# Altium PCB spd150.PcbDoc (part 13 of 16)
Units mm, origin at the board's own origin, x right, y up, seen from the top; angles counter-clockwise.
Board outline 217.35 x 147.5 mm, 10 copper layers (TOP, LYR2-PLN, LYR3-SIG, LYR4-SIG, LYR5-PLN, LYR6-PLN, LYR7-SIG, LYR8-SIG, LYR9-PLN, BOTTOM), stack 2.134 mm thick; 1065 components, 972 nets, 4226 pads, 2810 vias.
Unrouted connection lines stored in the file: 16.
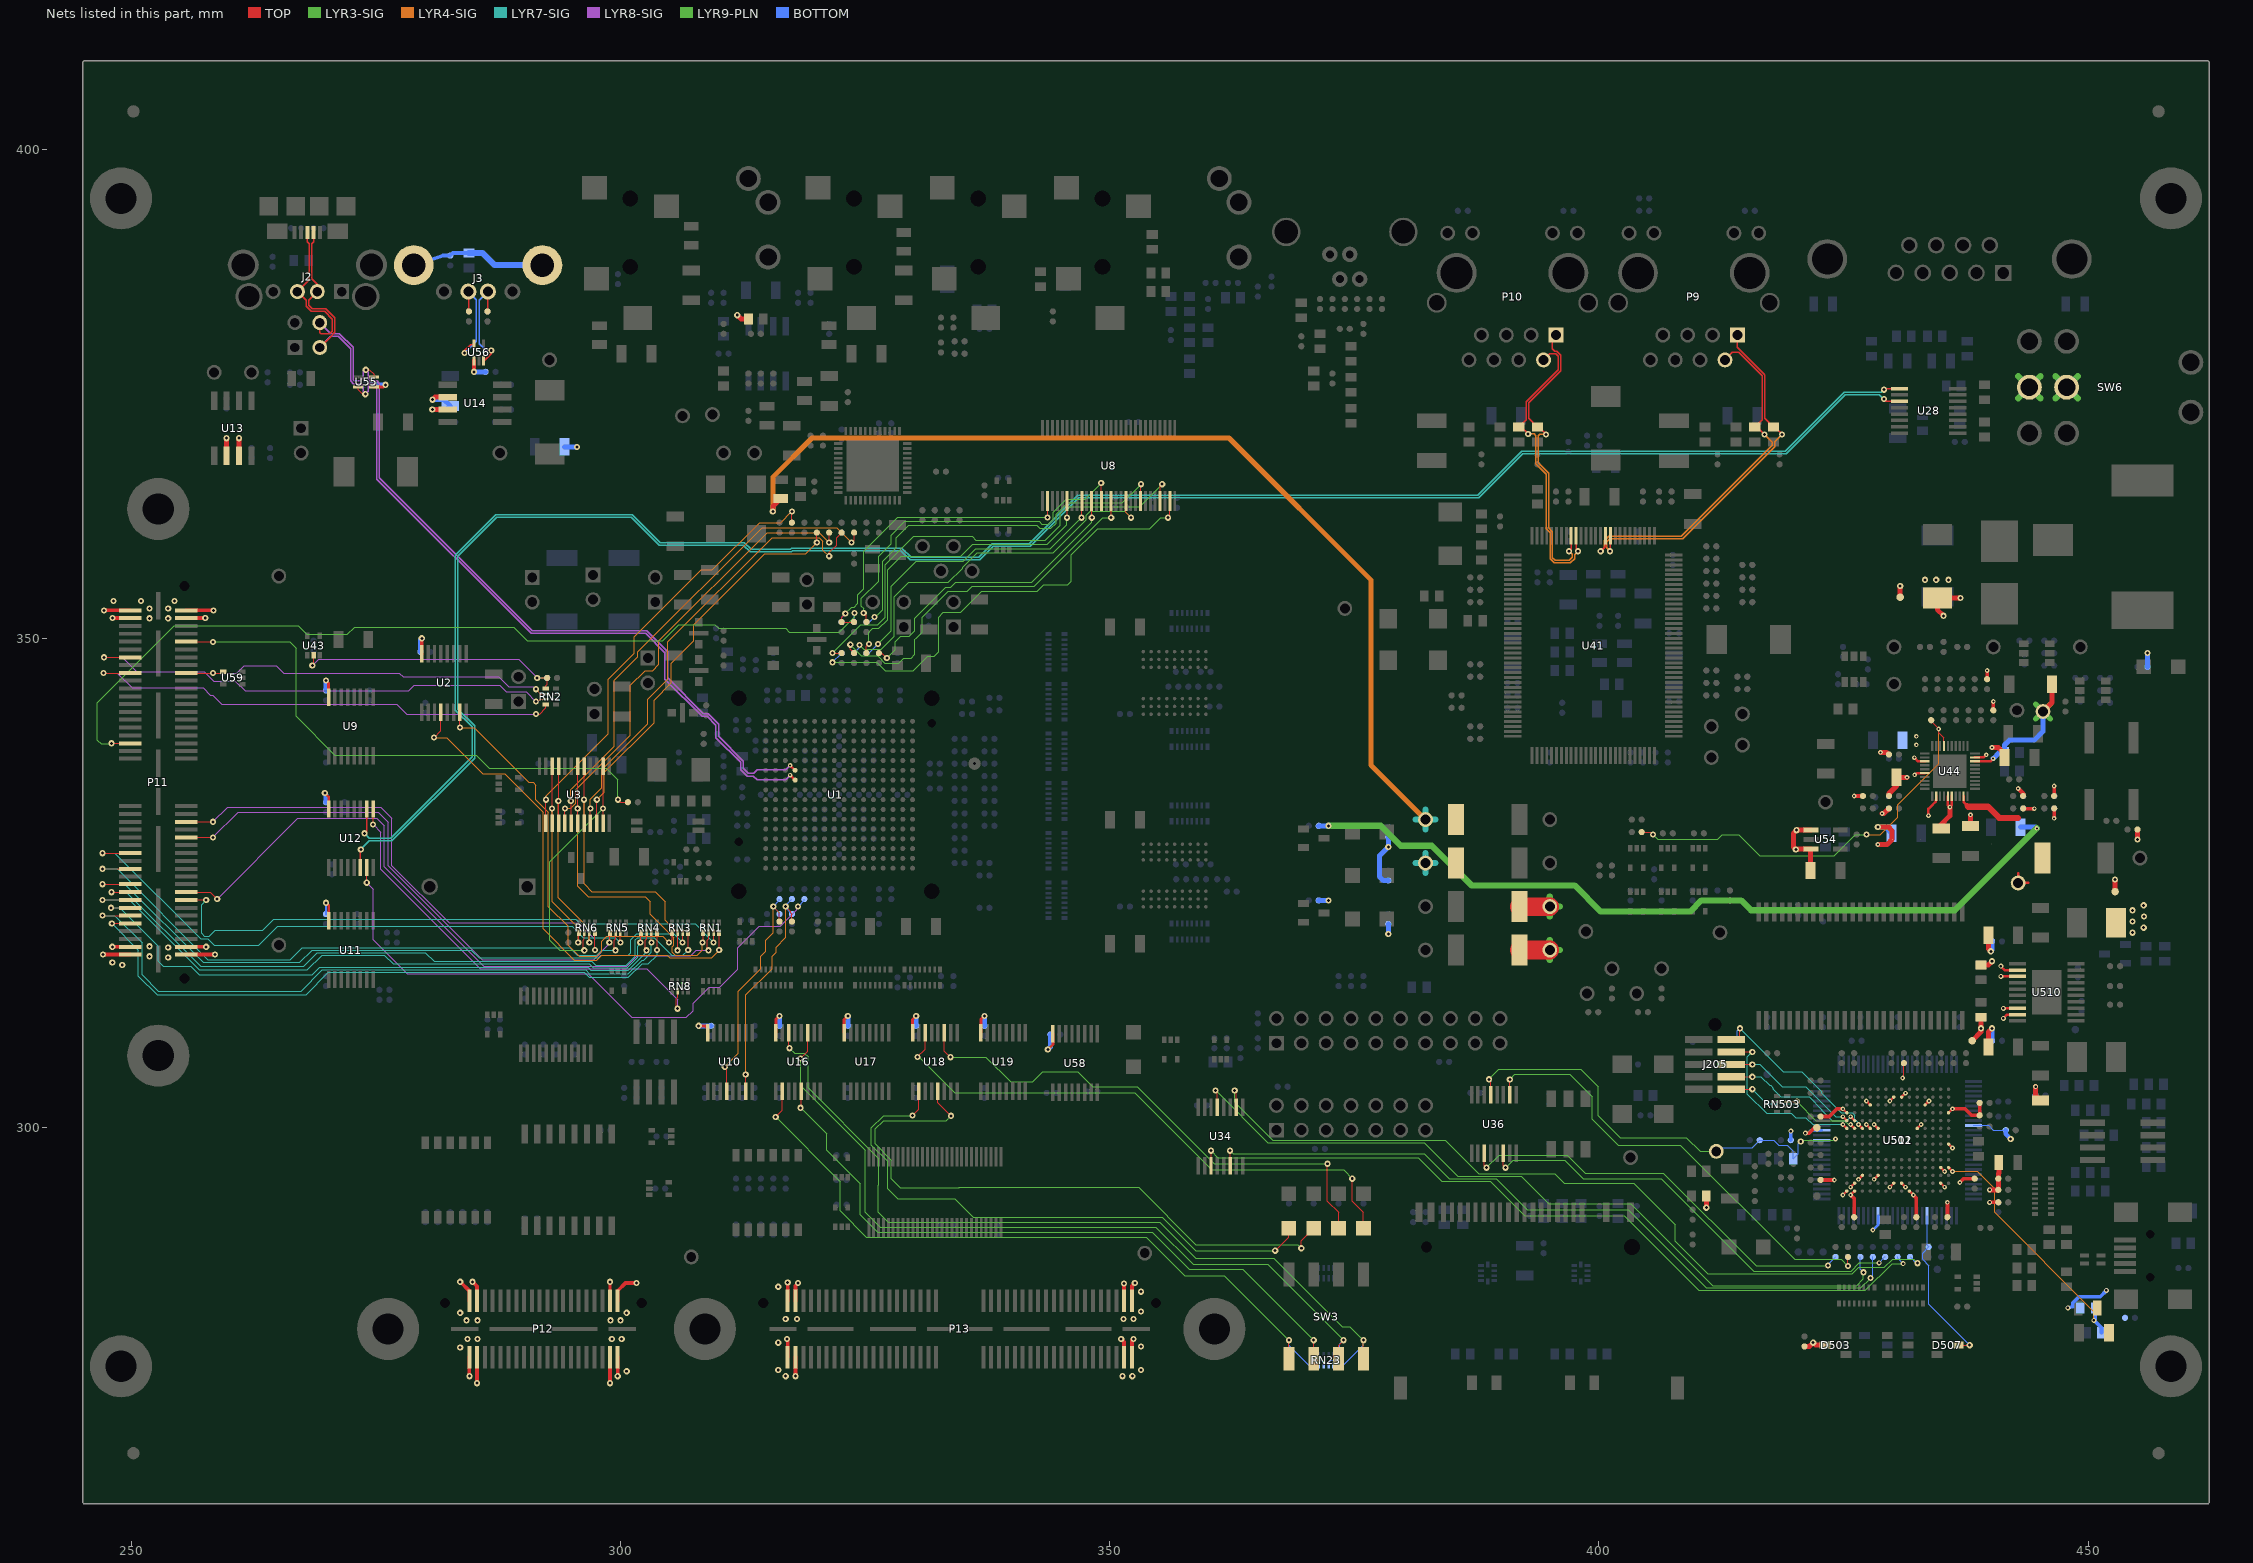
[diagram p21: the nets of this part, all layers, seen from the top]

## Via types
v1: diameter 0.635, hole 0.305, TOP to BOTTOM, 2018 vias
v2: diameter 0.483, hole 0.203, TOP to BOTTOM, 651 vias
v3: diameter 0.508, hole 0.254, TOP to BOTTOM, 120 vias
v4: diameter 0.559, hole 0.254, TOP to BOTTOM, 21 vias

## Nets (pads, with @x,y where several pads share a name; then routed paths per layer and width w, separated by ;. In a path a pad name is that pad's centre, name@x,y a point inside that pad or via, vN(x,y) a via of type N, cw(c..) or ccw(c..) an arc to the next point about the centre after c; other vN are vias at no path point) (continued)
SYS_RESETN: R325.2 R388.1 U44.27 | length 43.1
  TOP w0.127: R388.1@404.368,330.2 405.257,330.2 v1(405.511,329.946) ; R325.2@433.959,341.63 433.959,341.503 v2(434.721,340.741) 434.721,340.36 435.265,339.816 U44.27@435.265,338.988
  LYR3-SIG w0.127: v1(405.511,329.946) 406.019,329.438 412.115,329.438 412.623,329.946 414.274,329.946 416.433,327.787 424.053,327.787 426.212,329.946 v1(427.355,329.946)
  LYR4-SIG w0.127: v1(427.355,329.946) 428.752,329.946 430.53,331.724 430.53,332.994 434.721,337.185 v2(434.721,340.741)
T_ACLKR0: P11.17 RN2.8 | length 50.2
  TOP w0.127: v1(247.142,346.456) P11.17@249.86,346.456 ; v1(291.338,342.265) 291.719,342.265 292.341,342.887 RN2.8@292.341,343.22
  LYR8-SIG w0.127: v1(247.142,346.456) 248.539,346.456 250.063,344.932 257.302,344.932 258.064,344.17 258.318,344.17 259.207,343.281 277.114,343.281 278.13,342.265 v1(291.338,342.265)
T_ACLKR1: P11.57 RN5.6 | length 62.1
  TOP w0.127: v1(247.015,326.441) P11.57@249.86,326.441 ; v1(299.456,318.112) 299.339,318.229 299.339,319.151 299.471,319.283 RN5.6@299.471,319.9
  LYR7-SIG w0.127: v1(247.015,326.441) 248.539,326.441 257.81,317.17 266.243,317.17 267.462,318.389 294.767,318.389 295.552,317.604 297.564,317.604 298.072,318.112 v1(299.456,318.112)
T_ACLKX0: P11.18 RN2.6 U59.4 | length 39.4
  TOP w0.127: P11.18@255.6,346.456 v1(258.318,346.456) 259.217,346.456 U59.4@259.359,346.598 ; v1(291.338,344.805) 291.851,344.292 RN2.6@292.341,344.292
  LYR8-SIG w0.127: v1(258.318,346.456) 260.731,346.456 261.493,347.218 264.795,347.218 265.557,346.456 277.368,346.456 277.749,346.075 287.528,346.075 288.544,345.059 291.084,345.059 v1(291.338,344.805)
T_ACLKX1: RN6.6 U3.11 U3.14 | length 27.4
  TOP w0.127: v1(296.281,318.112) 296.164,318.229 296.164,319.151 296.296,319.283 RN6.6@296.296,319.9 ; U3.11@298.201,331.089 v1(298.201,332.613) U3.14@298.201,336.931
  LYR3-SIG w0.127: v1(296.281,318.112) 293.774,318.112 292.735,319.151 292.735,327.147 v1(298.201,332.613)
T_AFSR0: P11.13 RN2.7 | length 50.3
  TOP w0.127: v1(247.193,348.056) P11.13@249.86,348.056 ; v1(291.338,343.535) 291.592,343.535 291.851,343.794 RN2.7@292.341,343.794
  LYR8-SIG w0.127: v1(247.193,348.056) 249.047,348.056 250.52,346.583 257.429,346.583 258.382,345.63 260.617,345.63 261.62,344.627 278.333,344.627 278.892,345.186 287.655,345.186 288.29,344.551 290.322,344.551 v1(291.338,343.535)
T_AFSR1: P11.53 RN5.7 | length 62.2
  TOP w0.127: v1(247.015,328.041) P11.53@249.86,328.041 ; v1(299.969,318.902) RN5.7@299.969,319.9
  LYR7-SIG w0.127: v1(247.015,328.041) 248.285,328.041 257.048,319.278 257.81,319.278 258.039,319.049 258.039,319.042 258.437,318.643 263.017,318.643 264.922,320.548 295.021,320.548 296.164,319.405 296.578,319.405 296.583,319.41 297.005,319.41 297.01,319.405 299.466,319.405 v1(299.969,318.902)
T_AFSX0: R2.2 R3.1 RN2.5 U43.2 | length 28.3
  TOP w0.127: v1(268.478,347.218) 268.605,347.345 U43.2@268.605,348.259 ; v1(291.465,345.948) R3.1@292.481,345.948 292.481,345.313 292.341,345.173 RN2.5@292.341,344.866
  LYR8-SIG w0.127: v1(268.478,347.218) 269.113,347.853 289.56,347.853 v1(291.465,345.948)
  BOTTOM w0.127: v1(291.465,345.948) R2.2@292.481,345.948
T_AFSX1: RN6.7 U3.4 U3.21 | length 22.7
  TOP w0.127: U3.4@293.649,331.089 293.649,333.35 v1(293.624,333.375) 293.649,333.4 U3.21@293.649,336.931 ; v1(296.794,318.902) RN6.7@296.794,319.9
  LYR4-SIG w0.127: v1(293.624,333.375) 293.624,323.469 296.799,320.294 296.799,318.907 v1(296.794,318.902)
T_AHCLKR0/RMII_MHZ_50: R11.1 R13.2 R17.1 U8.2 | length 32.5
  TOP w0.127: v1(322.961,352.552) 322.58,352.171 R13.2@322.58,351.663 R11.1@323.85,351.663 ; v1(343.637,362.356) U8.2@343.637,364.033
  LYR3-SIG w0.127: v1(322.961,352.552) 323.596,353.187 323.85,353.187 324.231,353.568 324.231,354.457 324.866,355.092 324.866,358.902 328.32,362.356 v1(343.637,362.356)
  BOTTOM w0.127: R17.1@322.58,351.663 322.58,352.171 v1(322.961,352.552)
T_AHCLKR1: P11.50 RN5.5 | length 55
  TOP w0.127: P11.50@255.6,329.641 v1(258.318,329.641) ; v1(298.831,318.897) 298.897,318.963 RN5.5@298.897,319.9
  LYR8-SIG w0.127: v1(258.318,329.641) 260.909,332.232 275.209,332.232 276.225,331.216 276.225,326.771 285.826,317.17 297.231,317.17 298.831,318.77 v1(298.831,318.897)
T_AHCLKX1: RN6.5 U3.3 U3.22 | length 21.7
  TOP w0.127: U3.3@292.999,331.089 292.999,332.603 v1(292.989,332.613) 292.999,332.623 U3.22@292.999,336.931 ; v1(295.656,318.897) 295.722,318.963 RN6.5@295.722,319.9
  LYR4-SIG w0.127: v1(292.989,332.613) 292.989,323.088 295.656,320.421 v1(295.656,318.897)
T_AIC_BCLK: R194.1 U3.10 | length 41.5
  TOP w0.127: U3.10@297.551,331.089 297.551,332.323 297.561,332.334 v1(297.561,333.502) ; v1(320.04,359.791) R194.1@320.04,360.807
  LYR4-SIG w0.127: v1(297.561,333.502) 298.323,334.264 298.323,336.296 303.403,341.376 303.403,343.662 305.181,345.44 305.181,347.472 307.467,349.758 307.467,351.409 314.706,358.648 318.897,358.648 v1(320.04,359.791)
T_AIC_DIN: R196.1 U3.9 | length 47
  TOP w0.127: U3.9@296.901,331.089 v1(296.901,332.613) ; v1(321.31,358.394) 321.31,358.775 322.072,359.537 322.072,360.299 R196.1@322.58,360.807
  LYR4-SIG w0.127: v1(296.901,332.613) 296.901,333.56 298.069,334.729 298.069,336.575 302.768,341.274 302.768,343.789 304.8,345.821 304.8,349.631 315.468,360.299 320.294,360.299 320.675,359.918 320.675,359.029 v1(321.31,358.394)
T_AIC_DOUT: R197.1 U3.6 | length 49.2
  TOP w0.127: v1(294.894,333.375) 294.95,333.319 U3.6@294.95,331.089 ; v1(323.596,359.791) 323.85,360.045 R197.1@323.85,360.807
  LYR4-SIG w0.127: v1(294.894,333.375) 294.894,334.518 299.339,338.963 299.339,345.694 301.752,348.107 301.752,348.615 314.452,361.315 322.072,361.315 v1(323.596,359.791)
T_AIC_MCLK: R210.1 U3.2 | length 45.4
  TOP w0.127: U3.2@292.349,331.089 292.349,333.497 v1(292.354,333.502) ; R210.1@317.5,361.823 v1(317.5,362.966)
  LYR4-SIG w0.127: v1(292.354,333.502) 292.354,333.883 298.704,340.233 298.704,345.821 301.371,348.488 301.371,350.139 308.229,356.997 309.372,356.997 314.198,361.823 316.357,361.823 v1(317.5,362.966)
T_AIC_WCLK: R195.1 U3.5 | length 46.8
  TOP w0.127: U3.5@294.3,331.089 v1(294.3,332.613) ; v1(321.31,359.791) R195.1@321.31,360.807
  LYR4-SIG w0.127: v1(294.3,332.613) 294.869,332.613 295.402,333.146 295.402,334.518 300.99,340.106 300.99,345.186 302.514,346.71 303.276,346.71 303.911,347.345 303.911,349.758 314.96,360.807 320.294,360.807 v1(321.31,359.791)
T_AMUTE0: P11.10 R1.1 | length 57.2
  TOP w0.127: P11.10@255.6,349.656 258.293,349.656 v1(258.318,349.631) ; v1(299.72,333.502) 299.974,333.248 R1.1@300.736,333.248
  LYR3-SIG w0.127: v1(258.318,349.631) 266.192,349.631 266.827,348.996 266.827,342.011 270.764,338.074 285.242,338.074 286.575,336.74 298.513,336.74 299.72,335.534 v1(299.72,333.502)
T_AMUTE1: P11.46 RN6.8 | length 53.7
  TOP w0.127: P11.46@255.6,331.241 v1(258.318,331.241) ; v1(297.368,318.135) RN6.8@297.368,319.9
  LYR8-SIG w0.127: v1(258.318,331.241) 259.817,332.74 275.463,332.74 276.606,331.597 276.606,326.771 282.448,320.929 295.656,320.929 297.368,319.217 v1(297.368,318.135)
T_AXR0[0]/RMII_TXD[0]: R9.1 U8.6 | length 32.4
  TOP w0.127: R9.1@325.12,348.488 325.12,349.174 v1(325.374,349.428) ; v1(345.618,362.331) 345.636,362.349 U8.6@345.636,364.033
  LYR3-SIG w0.127: v1(325.374,349.428) 325.374,350.647 325.755,351.028 326.39,351.028 327.279,351.917 327.279,356.997 328.676,358.394 334.772,358.394 335.978,359.601 343.599,359.601 345.618,361.62 v1(345.618,362.331)
T_AXR0[1]/RMII_TXD[1]: R10.1 U8.9 | length 32.1
  TOP w0.127: v1(347.091,362.331) 347.137,362.377 U8.9@347.137,364.033
  LYR3-SIG w0.127: v1(326.314,349.428) 327.66,350.774 327.66,355.346 330.2,357.886 335.026,357.886 336.296,359.156 343.916,359.156 v1(347.091,362.331)
  BOTTOM w0.127: R10.1@325.12,348.488 325.374,348.488 v1(326.314,349.428)
T_AXR0[2]/RMII_TXEN: R8.1 U8.11 | length 31.1
  TOP w0.127: R8.1@326.39,348.488 326.695,348.488 v1(327.203,347.98) ; U8.11@348.135,364.033 348.135,362.354 v1(348.158,362.331)
  LYR3-SIG w0.127: v1(327.203,347.98) 328.041,348.818 328.041,349.631 328.613,350.202 329.501,350.202 330.073,350.774 330.073,352.044 333.248,355.219 333.756,355.219 334.264,355.727 342.011,355.727 348.158,361.874 v1(348.158,362.331)
T_AXR0[3]/RMII_CRS_DV: R5.1 U8.13 | length 36.5
  TOP w0.127: v1(324.841,352.577) 325.12,352.298 R5.1@325.12,351.663 ; v1(349.11,365.874) 349.136,365.849 U8.13@349.136,364.033
  LYR3-SIG w0.127: v1(324.841,352.577) 324.841,353.06 324.612,353.289 324.612,354.076 326.39,355.854 326.39,358.394 327.66,359.664 327.66,360.553 329.057,361.95 342.773,361.95 343.052,361.671 343.687,361.671 344.195,362.179 344.195,362.864 345.567,364.236 347.472,364.236 v1(349.11,365.874)
T_AXR0[4]/RMII_RXD[0]: R6.1 U8.15 | length 38.1
  TOP w0.127: v1(323.469,349.352) 323.469,348.869 R6.1@323.85,348.488 ; v1(350.134,362.336) U8.15@350.134,364.033
  LYR3-SIG w0.127: v1(323.469,349.352) 324.587,348.234 326.263,348.234 326.695,347.802 326.695,347.769 326.992,347.472 328.422,347.472 328.93,347.98 329.692,347.98 330.073,348.361 330.073,349.885 330.2,350.012 330.2,350.02 330.827,350.647 330.827,352.163 333.502,354.838 335.407,354.838 335.915,355.346 342.265,355.346 349.25,362.331 350.129,362.331 v1(350.134,362.336)
T_AXR0[5]/RMII_RXD[1]: R7.1 U8.18 | length 39.7
  TOP w0.127: U8.18@351.635,364.033 351.635,362.867 v1(352.171,362.331)
  LYR3-SIG w0.127: v1(324.409,349.326) 324.866,348.869 326.644,348.869 327.977,350.202 327.977,354.267 329.438,355.727 333.502,355.727 334.962,357.188 334.962,357.266 336.428,358.732 344.211,358.732 347.599,362.12 347.599,362.585 347.98,362.966 351.536,362.966 v1(352.171,362.331)
  BOTTOM w0.127: R7.1@323.85,348.488 324.409,349.047 v1(324.409,349.326)
T_AXR0[6]/RMII_RXER: R4.1 U8.21 | length 39.9
  TOP w0.127: U8.21@353.134,364.033 353.134,365.707 v1(353.187,365.76)
  LYR3-SIG w0.127: v1(325.933,352.171) 326.009,352.171 326.771,352.933 326.771,357.886 328.168,359.283 328.168,360.299 329.438,361.569 342.519,361.569 342.837,361.251 343.979,361.251 344.513,361.785 344.513,362.674 345.694,363.855 351.282,363.855 v1(353.187,365.76)
  BOTTOM w0.127: R4.1@325.12,351.663 325.425,351.663 v1(325.933,352.171)
T_AXR0[7]/RMII_MDIO_CLK: R14.1 U8.27 | length 47.9
  TOP w0.127: v1(355.93,362.331) 356.133,362.534 U8.27@356.133,364.033
  LYR3-SIG w0.127: v1(321.64,347.548) 326.187,347.548 327.025,346.71 329.921,346.71 331.391,348.16 332.031,348.16 332.486,348.615 332.486,352.171 332.994,352.679 334.772,352.679 336.888,354.795 342.56,354.795 343.238,355.473 345.694,355.473 346.075,355.854 346.075,358.521 348.742,361.188 354.076,361.188 355.219,362.331 v1(355.93,362.331)
  BOTTOM w0.127: v1(321.64,347.548) R14.1@322.58,348.488
T_AXR0[8]/RMII_MDIO_D: R12.1 U8.25 | length 47.7
  TOP w0.127: v1(321.64,348.488) R12.1@322.58,348.488 ; U8.25@355.133,364.033 355.133,365.547 v1(355.346,365.76)
  LYR3-SIG w0.127: v1(321.64,348.488) 324.561,351.409 326.263,351.409 327.025,352.171 327.025,357.505 329.946,360.426 335.915,360.426 336.296,360.045 343.408,360.045 344.932,361.569 344.932,362.712 345.694,363.474 353.06,363.474 v1(355.346,365.76)
T_AXR0_11/AXR2_0/GPIO3_11: P11.35 R16.1 | length 92.3
  TOP w0.127: v1(247.955,339.268) P11.35@249.86,339.268
  LYR3-SIG w0.127: v1(247.955,339.268) 247.904,339.217 246.888,339.217 246.507,339.598 246.507,343.408 254.381,351.282 267.03,351.282 267.919,350.393 272.034,350.393 272.796,351.155 289.052,351.155 290.449,349.758 304.292,349.758 305.943,351.409 309.626,351.409 310.007,351.028 316.865,351.028 317.246,350.647 322.326,350.647 323.901,352.222 v1(323.901,352.603)
  BOTTOM w0.127: R16.1@323.85,351.663 323.85,352.552 v1(323.901,352.603)
T_AXR1[0]: RN1.5 U3.7 U3.18 | length 33.3
  TOP w0.127: U3.7@295.6,331.089 v1(295.6,332.613) U3.18@295.6,336.931 ; v1(308.356,318.897) 308.422,318.963 RN1.5@308.422,319.9
  LYR4-SIG w0.127: v1(295.6,332.613) 295.6,324.668 296.672,323.596 302.514,323.596 303.022,323.088 303.022,321.818 305.435,319.405 305.435,318.643 305.283,318.491 305.283,317.917 305.598,317.602 307.823,317.602 308.356,318.135 v1(308.356,318.897)
T_AXR1[1]: P11.64 RN1.6 | length 68.4
  TOP w0.127: P11.64@255.6,324.053 258.039,324.053 v1(258.75,323.342) ; v1(308.981,318.112) 308.864,318.229 308.864,319.151 308.996,319.283 RN1.6@308.996,319.9
  LYR8-SIG w0.127: v1(258.75,323.342) 267.005,331.597 275.082,331.597 275.844,330.835 275.844,326.644 286.004,316.484 300.609,316.484 301.676,317.551 307.137,317.551 307.698,318.112 v1(308.981,318.112)
T_AXR1[2]: P11.66 RN1.7 | length 60.8
  TOP w0.127: P11.66@255.6,323.266 v1(257.632,323.266) ; v1(309.494,318.902) RN1.7@309.494,319.9
  LYR7-SIG w0.127: v1(257.632,323.266) 257.15,322.783 257.15,319.855 257.447,319.557 257.965,319.557 258.064,319.656 258.064,319.659 258.572,320.167 263.398,320.167 264.541,321.31 295.402,321.31 295.91,320.802 307.594,320.802 v1(309.494,318.902)
T_AXR1[3]: RN1.8 U2.4 | length 50.8
  TOP w0.127: v1(280.924,339.852) 281.615,340.543 U2.4@281.615,342.453 ; v1(310.068,318.135) RN1.8@310.068,319.9
  LYR4-SIG w0.127: v1(280.924,339.852) 282.194,339.852 285.877,336.169 288.163,336.169 292.1,332.232 292.1,320.294 295.275,317.119 297.561,317.119 298.044,317.602 304.775,317.602 305.029,317.348 309.281,317.348 v1(310.068,318.135)
T_AXR1[4]: RN3.5 U2.7 | length 43.1
  TOP w0.127: v1(283.566,340.893) U2.7@283.566,342.453 ; v1(304.927,318.897) 305.247,319.217 RN3.5@305.247,319.9
  LYR4-SIG w0.127: v1(283.566,340.893) 283.591,340.868 285.046,340.868 290.619,335.295 291.041,335.295 291.338,334.998 291.338,333.502 292.608,332.232 292.608,322.58 294.64,320.548 294.64,318.643 295.783,317.5 297.561,317.5 298.069,318.008 298.069,319.024 298.577,319.532 304.292,319.532 v1(304.927,318.897)
T_AXR1[5]: RN3.6 U3.8 U3.17 | length 30.8
  TOP w0.127: U3.8@296.25,331.089 v1(296.25,333.502) U3.17@296.25,336.931 ; v1(305.806,318.112) 305.806,319.268 305.821,319.283 RN3.6@305.821,319.9
  LYR4-SIG w0.127: v1(296.25,333.502) 296.25,324.907 297.053,324.104 303.53,324.104 304.546,323.088 304.546,321.183 305.806,319.923 v1(305.806,318.112)
T_AXR1[6]: P11.61 RN3.7 | length 69.5
  TOP w0.127: v1(247.015,324.866) P11.61@249.86,324.866 ; v1(306.319,318.902) RN3.7@306.319,319.9
  LYR7-SIG w0.127: v1(247.015,324.866) 249.301,324.866 257.302,316.865 267.208,316.865 268.478,318.135 284.734,318.135 285.521,317.348 297.688,317.348 297.942,317.602 300.772,317.602 301.051,317.881 301.051,319.212 301.625,319.786 305.435,319.786 v1(306.319,318.902)
T_AXR1[7]: P11.63 RN3.8 | length 70
  TOP w0.127: v1(247.955,324.053) P11.63@249.86,324.053 ; v1(306.893,318.135) RN3.8@306.893,319.9
  LYR7-SIG w0.127: v1(247.955,324.053) 249.479,324.053 257.048,316.484 267.589,316.484 268.986,317.881 280.035,317.881 280.924,316.992 297.053,316.992 297.459,316.586 300.568,316.586 301.498,317.515 301.498,319.171 301.732,319.405 302.928,319.405 302.933,319.41 303.355,319.41 303.36,319.405 303.403,319.405 305.204,317.604 306.362,317.604 v1(306.893,318.135)
T_AXR1[8]: P11.65 RN4.5 | length 64.8
  TOP w0.127: v1(247.015,323.266) P11.65@249.86,323.266 ; v1(302.006,318.897) 302.072,318.963 RN4.5@302.072,319.9
  LYR7-SIG w0.127: v1(247.015,323.266) 249.779,323.266 256.941,316.103 267.97,316.103 269.494,317.627 275.844,317.627 276.733,316.738 296.799,316.738 297.205,316.332 300.675,316.332 301.752,317.409 301.752,318.516 302.006,318.77 v1(302.006,318.897)
T_AXR1[9]: P11.67 RN4.6 | length 63.7
  TOP w0.127: v1(247.904,322.453) P11.67@249.86,322.453 ; v1(302.631,318.112) 302.514,318.229 302.514,319.151 302.646,319.283 RN4.6@302.646,319.9
  LYR7-SIG w0.127: v1(247.904,322.453) 248.793,322.453 252.73,318.516 252.73,316.992 253.238,316.484 256.032,316.484 256.921,315.595 268.478,315.595 269.24,316.357 296.672,316.357 296.951,316.078 300.782,316.078 302.631,317.927 v1(302.631,318.112)
T_AXR1[10]: P11.69 RN4.7 | length 68
  TOP w0.127: v1(247.015,321.666) P11.69@249.86,321.666 ; v1(303.144,318.902) RN4.7@303.144,319.9
  LYR7-SIG w0.127: v1(247.015,321.666) 248.285,321.666 251.079,318.872 251.079,315.595 252.73,313.944 267.335,313.944 269.494,316.103 296.418,316.103 296.799,315.722 300.787,315.722 302.184,317.119 302.357,317.119 303.139,317.901 303.139,318.897 v1(303.144,318.902)
T_AXR1[11]: P11.71 RN4.8 | length 66.6
  TOP w0.127: v1(247.98,320.853) P11.71@249.86,320.853 ; v1(303.718,318.135) RN4.8@303.718,319.9
  LYR7-SIG w0.127: v1(247.98,320.853) 250.698,318.135 250.698,315.468 252.603,313.563 267.843,313.563 270.129,315.849 296.291,315.849 296.799,315.341 300.787,315.341 302.184,316.738 302.829,316.738 303.718,317.627 v1(303.718,318.135)
T_EMU0: R609.2 U36.3 | length 42.9
  TOP w0.127: U36.3@388.28,297.368 388.28,296.098 v1(388.493,295.885)
  LYR3-SIG w0.127: v1(388.493,295.885) 389.788,297.18 396.748,297.18 398.589,295.339 406.59,295.339 416.052,285.877 v1(423.418,285.877)
  BOTTOM w0.127: v1(423.418,285.877) 423.418,286.004 R609.2@424.18,286.766
T_EMU1: R610.2 U36.10 | length 46.8
  TOP w0.127: U36.10@390.881,303.342 v1(390.881,304.902) ; v1(425.45,285.826) R610.2@425.45,286.766
  LYR3-SIG w0.127: v1(390.881,304.902) 391.414,305.435 397.002,305.435 399.288,303.149 399.288,300.863 401.955,298.196 408.305,298.196 419.989,286.512 424.764,286.512 v1(425.45,285.826)
T_SPI1_ENAN: RN8.6 U12.9 | length 45.2
  TOP w0.127: v1(274.691,330.972) U12.9@274.691,332.552 ; v1(305.806,312.143) 305.689,312.26 305.689,313.182 305.821,313.314 RN8.6@305.821,313.931
  LYR8-SIG w0.127: v1(274.691,330.972) 275.463,330.2 275.463,326.39 285.623,316.23 302.641,316.23 305.806,313.065 v1(305.806,312.143)
T_SPI1_SCSN: R39.1 U12.7 | length 61.9
  TOP w0.127: v1(274.041,325.018) U12.7@274.041,326.578
  LYR8-SIG w0.127: v1(274.041,325.018) 274.701,324.358 274.701,319.194 278.173,315.722 296.672,315.722 301.117,311.277 306.723,311.277 307.401,311.955 307.401,312.694 309.032,314.325 310.134,314.325 311.988,316.179 311.988,318.351 314.185,320.548 316.316,320.548 318.008,322.24 318.008,322.453 v1(318.135,322.58)
  BOTTOM w0.127: v1(318.135,322.58) 318.77,323.215 R39.1@318.77,323.342
T_TCK: R604.2 U34.10 | length 82.9
  TOP w0.127: v1(362.763,303.784) 362.941,303.606 U34.10@362.941,302.072
  LYR3-SIG w0.127: v1(362.763,303.784) 362.763,302.57 366.629,298.704 384.302,298.704 387.731,295.275 395.478,295.275 396.43,294.322 403.542,294.322 407.797,290.068 407.797,288.366 411.099,285.064 425.907,285.064 426.542,285.699 429.184,285.699 430.022,286.537 432.156,286.537 v1(432.562,286.131)
  BOTTOM w0.127: R604.2@431.8,286.766 432.435,286.131 v1(432.562,286.131)
T_TCK_RET: R525.1 R599.1 TP517.1 U36.13 U511.88 | length 47.3
  TOP w0.127: v1(388.747,304.927) 388.93,304.744 U36.13@388.93,303.342
  LYR3-SIG w0.102: 422.783,298.712 424.061,298.712 v2(424.18,298.831)
  LYR3-SIG w0.127: v1(388.747,304.927) 389.763,305.943 398.145,305.943 399.928,304.16 399.928,301.191 402.161,298.958 408.94,298.958 410.337,297.561 TP517.1@411.988,297.561 ; v1(420.624,298.577) 420.759,298.712 422.783,298.712
  BOTTOM w0.127: TP517.1@411.988,297.561 412.369,297.942 415.671,297.942 R599.1@416.433,298.704 417.873,298.704 418.381,298.196 419.227,298.196 419.862,297.561 R525.1@419.862,296.799 420.37,297.307 420.37,298.323 v1(420.624,298.577) ; U511.88@422.783,298.704 424.053,298.704 v2(424.18,298.831)

## Text inside footprints (layer, text, board x,y; h text height)
C191: PIN_NUMBER "1" at 371.323,379.73 h0.51 r90; PIN_NUMBER "2" at 371.323,381.254 h0.51 r90; ASSEMBLY_TOP "0.22uF" at 371.856,379.857 h1.02 r90; ASSEMBLY_TOP "X" at 371.856,380.746 h1.02 r90; ASSEMBLY_TOP "X" at 371.729,381.635 h1.02 r90; SYMB_DIM "PAD 35X45OV" at 376.555,376.301 h1.02 r90; SYMB_DIM "SM  43X53OV" at 378.46,376.301 h1.02 r90; SYMB_DIM "SP  35X45OV" at 380.238,376.301 h1.02 r90; SYMB_DIM "C603-35X45" at 367.665,376.555 h1.02 r90; SYMB_DIM "0" at 374.904,379.857 h1.02 r90; SYMB_DIM "0" at 371.983,376.809 h1.02 r90
C192: PIN_NUMBER "1" at 369.418,382.905 h0.51 r90; PIN_NUMBER "2" at 369.418,384.429 h0.51 r90; ASSEMBLY_TOP "0.47uF" at 369.951,383.032 h1.02 r90; ASSEMBLY_TOP "X" at 369.951,383.921 h1.02 r90; ASSEMBLY_TOP "X" at 369.824,384.81 h1.02 r90; SYMB_DIM "PAD 35X45OV" at 374.65,379.476 h1.02 r90; SYMB_DIM "SM  43X53OV" at 376.555,379.476 h1.02 r90; SYMB_DIM "SP  35X45OV" at 378.333,379.476 h1.02 r90; SYMB_DIM "C603-35X45" at 365.76,379.73 h1.02 r90; SYMB_DIM "0" at 372.999,383.032 h1.02 r90; SYMB_DIM "0" at 370.078,379.984 h1.02 r90
C193: PIN_NUMBER "1" at 374.498,372.11 h0.51 r90; PIN_NUMBER "2" at 374.498,373.634 h0.51 r90; ASSEMBLY_TOP "0.22uF" at 375.031,372.237 h1.02 r90; ASSEMBLY_TOP "X" at 375.031,373.126 h1.02 r90; ASSEMBLY_TOP "X" at 374.904,374.015 h1.02 r90; SYMB_DIM "PAD 35X45OV" at 379.73,368.681 h1.02 r90; SYMB_DIM "SM  43X53OV" at 381.635,368.681 h1.02 r90; SYMB_DIM "SP  35X45OV" at 383.413,368.681 h1.02 r90; SYMB_DIM "C603-35X45" at 370.84,368.935 h1.02 r90; SYMB_DIM "0" at 378.079,372.237 h1.02 r90; SYMB_DIM "0" at 375.158,369.189 h1.02 r90
C194: PIN_NUMBER "1" at 374.498,375.285 h0.51 r90; PIN_NUMBER "2" at 374.498,376.809 h0.51 r90; ASSEMBLY_TOP "0.22uF" at 375.031,375.412 h1.02 r90; ASSEMBLY_TOP "X" at 375.031,376.301 h1.02 r90; ASSEMBLY_TOP "X" at 374.904,377.19 h1.02 r90; SYMB_DIM "PAD 35X45OV" at 379.73,371.856 h1.02 r90; SYMB_DIM "SM  43X53OV" at 381.635,371.856 h1.02 r90; SYMB_DIM "SP  35X45OV" at 383.413,371.856 h1.02 r90; SYMB_DIM "C603-35X45" at 370.84,372.11 h1.02 r90; SYMB_DIM "0" at 378.079,375.412 h1.02 r90; SYMB_DIM "0" at 375.158,372.364 h1.02 r90
C195: PIN_NUMBER "2" at 374.498,379.984 h0.51 r90; PIN_NUMBER "1" at 374.498,378.46 h0.51 r90; ASSEMBLY_TOP "0.47uF" at 375.031,378.587 h1.02 r90; ASSEMBLY_TOP "X" at 375.031,379.476 h1.02 r90; ASSEMBLY_TOP "X" at 374.904,380.365 h1.02 r90; SYMB_DIM "PAD 35X45OV" at 379.73,375.031 h1.02 r90; SYMB_DIM "SM  43X53OV" at 381.635,375.031 h1.02 r90; SYMB_DIM "SP  35X45OV" at 383.413,375.031 h1.02 r90; SYMB_DIM "C603-35X45" at 370.84,375.285 h1.02 r90; SYMB_DIM "0" at 378.079,378.587 h1.02 r90; SYMB_DIM "0" at 375.158,375.539 h1.02 r90
C196: PIN_NUMBER "1" at 372.542,384.683 h0.51 r270; PIN_NUMBER "2" at 372.542,383.667 h0.51 r270; ASSEMBLY_TOP "0.01uF" at 372.745,384.175 h0.64 r270; ASSEMBLY_TOP "TOLERANCE" at 370.205,384.175 h0.64 r270; ASSEMBLY_TOP "USERPART#" at 368.935,384.175 h0.64 r270; SYMBOL_PART_DIM "PAD 35X32 OV" at 367.97,387.299 h0.64 r270; SYMBOL_PART_DIM "C402-35X32" at 369.24,387.299 h0.64 r270; SYMBOL_PART_DIM "0" at 370.611,384.378 h0.64 r270; SYMBOL_PART_DIM "0" at 372.415,386.512 h0.64 r270
C197: PIN_NUMBER "1" at 376.352,384.683 h0.51 r270; PIN_NUMBER "2" at 376.352,383.667 h0.51 r270; ASSEMBLY_TOP "0.01uF" at 376.555,384.175 h0.64 r270; ASSEMBLY_TOP "TOLERANCE" at 374.015,384.175 h0.64 r270; ASSEMBLY_TOP "USERPART#" at 372.745,384.175 h0.64 r270; SYMBOL_PART_DIM "PAD 35X32 OV" at 371.78,387.299 h0.64 r270; SYMBOL_PART_DIM "C402-35X32" at 373.05,387.299 h0.64 r270; SYMBOL_PART_DIM "0" at 374.421,384.378 h0.64 r270; SYMBOL_PART_DIM "0" at 376.225,386.512 h0.64 r270
C198: PIN_NUMBER "1" at 377.749,352.425 h0.51 r180; PIN_NUMBER "2" at 378.765,352.425 h0.51 r180; ASSEMBLY_BOTTOM "0.01uF" at 378.46,352.425 h0.64 r180; ASSEMBLY_BOTTOM "TOLERANCE" at 378.46,354.965 h0.64 r180; ASSEMBLY_BOTTOM "USERPART#" at 378.46,356.235 h0.64 r180; SYMBOL_PART_DIM "PAD 35X32 OV" at 375.336,357.2 h0.64 r180; SYMBOL_PART_DIM "C402-35X32" at 375.336,355.93 h0.64 r180; SYMBOL_PART_DIM "0" at 378.257,354.559 h0.64 r180; SYMBOL_PART_DIM "0" at 376.123,352.755 h0.64 r180
C199: PIN_NUMBER "2" at 387.325,357.886 h0.51 r270; PIN_NUMBER "1" at 387.325,359.41 h0.51 r270; ASSEMBLY_TOP "NO-POP" at 387.604,359.283 h1.02 r270; ASSEMBLY_TOP "X" at 387.604,358.394 h1.02 r270; ASSEMBLY_TOP "X" at 387.731,357.505 h1.02 r270; SYMB_DIM "PAD 35X45OV" at 382.905,362.839 h1.02 r270; SYMB_DIM "SM  43X53OV" at 381,362.839 h1.02 r270; SYMB_DIM "SP  35X45OV" at 379.222,362.839 h1.02 r270; SYMB_DIM "C603-35X45" at 391.795,362.585 h1.02 r270; SYMB_DIM "0" at 384.556,359.283 h1.02 r270; SYMB_DIM "0" at 387.477,362.331 h1.02 r270
C200: PIN_NUMBER "2" at 387.325,361.061 h0.51 r270; PIN_NUMBER "1" at 387.325,362.585 h0.51 r270; ASSEMBLY_TOP "NO-POP" at 387.604,362.458 h1.02 r270; ASSEMBLY_TOP "X" at 387.604,361.569 h1.02 r270; ASSEMBLY_TOP "X" at 387.731,360.68 h1.02 r270; SYMB_DIM "PAD 35X45OV" at 382.905,366.014 h1.02 r270; SYMB_DIM "SM  43X53OV" at 381,366.014 h1.02 r270; SYMB_DIM "SP  35X45OV" at 379.222,366.014 h1.02 r270; SYMB_DIM "C603-35X45" at 391.795,365.76 h1.02 r270; SYMB_DIM "0" at 384.556,362.458 h1.02 r270; SYMB_DIM "0" at 387.477,365.506 h1.02 r270
C201: PIN_NUMBER "1" at 407.264,345.186 h1.02 r270; PIN_NUMBER "2" at 407.264,348.234 h1.02 r270; SYMB_DIM "PAD 40X70OV" at 397.485,349.504 h1.02 r270; SYMB_DIM "SM  48X78" at 396.392,348.234 h1.02 r270; SYMB_DIM "SP  40X70OV" at 393.675,349.504 h1.02 r270; SYMB_DIM "C1206-40X70" at 408.407,349.25 h1.02 r270; SYMB_DIM "0" at 403.86,346.075 h1.02 r270; SYMB_DIM "0" at 407.035,342.265 h1.02 r270; ASSEMBLY_BOTTOM "10uF" at 407.289,345.821 h1.02 r270; ASSEMBLY_BOTTOM "X" at 407.289,346.71 h1.02 r270; ASSEMBLY_BOTTOM "X" at 407.289,347.726 h1.02 r270; ASSEMBLY_BOTTOM "+" at 407.289,343.789 h1.02 r270; Bottom Overlay "+" at 408.686,344.043 h0.89 r270
C202: PIN_NUMBER "1" at 390.754,350.139 h1.02 r90; PIN_NUMBER "2" at 390.754,347.091 h1.02 r90; SYMB_DIM "PAD 40X70OV" at 392.405,345.821 h1.02 r90; SYMB_DIM "SM  48X78" at 395.122,347.091 h1.02 r90; SYMB_DIM "SP  40X70OV" at 396.215,345.821 h1.02 r90; SYMB_DIM "C1206-40X70" at 381.483,346.075 h1.02 r90; SYMB_DIM "0" at 394.97,349.25 h1.02 r90; SYMB_DIM "0" at 391.795,353.06 h1.02 r90; ASSEMBLY_BOTTOM "10uF" at 391.541,349.504 h1.02 r90; ASSEMBLY_BOTTOM "X" at 391.541,348.615 h1.02 r90; ASSEMBLY_BOTTOM "X" at 391.541,347.599 h1.02 r90; ASSEMBLY_BOTTOM "+" at 391.541,351.536 h1.02 r90; Bottom Overlay "+" at 392.43,351.409 h0.89 r90
C203: PIN_NUMBER "1" at 409.804,350.52 h1.02; PIN_NUMBER "2" at 418.059,349.25 h1.02; ASSEMBLY_TOP "100uF" at 412.242,348.107 h1.02; ASSEMBLY_TOP "X" at 413.385,348.107 h1.02; ASSEMBLY_TOP "X" at 414.655,348.107 h1.02; SYMB_DIM "PAD 84X118REC" at 407.67,342.265 h1.02; SYMB_DIM "SM  92X126REC" at 407.67,340.36 h1.02; SYMB_DIM "SP  84X118REC" at 407.67,338.455 h1.02; SYMB_DIM "C7343-84X118" at 407.67,360.045 h1.02; SYMB_DIM "0" at 414.782,344.297 h1.02; SYMB_DIM "0" at 407.543,349.377 h1.02
C204: PIN_NUMBER "1" at 391.465,351.79 h0.51; PIN_NUMBER "2" at 390.449,351.79 h0.51; ASSEMBLY_BOTTOM "0.1uF" at 391.16,351.79 h0.64; ASSEMBLY_BOTTOM "TOLERANCE" at 391.16,349.25 h0.64; ASSEMBLY_BOTTOM "USERPART#" at 391.16,347.98 h0.64; SYMBOL_PART_DIM "PAD 35X32 OV" at 394.284,347.015 h0.64; SYMBOL_PART_DIM "C402-35X32" at 394.284,348.285 h0.64; SYMBOL_PART_DIM "0" at 391.363,349.656 h0.64; SYMBOL_PART_DIM "0" at 393.497,351.46 h0.64
C205: PIN_NUMBER "1" at 394.767,338.328 h0.51 r90; PIN_NUMBER "2" at 394.767,337.312 h0.51 r90; ASSEMBLY_BOTTOM "0.1uF" at 394.97,337.82 h0.64 r90; ASSEMBLY_BOTTOM "TOLERANCE" at 397.51,337.82 h0.64 r90; ASSEMBLY_BOTTOM "USERPART#" at 398.78,337.82 h0.64 r90; SYMBOL_PART_DIM "PAD 35X32 OV" at 399.745,340.944 h0.64 r90; SYMBOL_PART_DIM "C402-35X32" at 398.475,340.944 h0.64 r90; SYMBOL_PART_DIM "0" at 397.104,338.023 h0.64 r90; SYMBOL_PART_DIM "0" at 395.3,340.157 h0.64 r90
C206: PIN_NUMBER "1" at 406.959,343.535 h0.51 r180; PIN_NUMBER "2" at 407.975,343.535 h0.51 r180; ASSEMBLY_BOTTOM "0.1uF" at 407.67,343.535 h0.64 r180; ASSEMBLY_BOTTOM "TOLERANCE" at 407.67,346.075 h0.64 r180; ASSEMBLY_BOTTOM "USERPART#" at 407.67,347.345 h0.64 r180; SYMBOL_PART_DIM "PAD 35X32 OV" at 404.546,348.31 h0.64 r180; SYMBOL_PART_DIM "C402-35X32" at 404.546,347.04 h0.64 r180; SYMBOL_PART_DIM "0" at 407.467,345.669 h0.64 r180; SYMBOL_PART_DIM "0" at 405.333,343.865 h0.64 r180
C207: PIN_NUMBER "1" at 399.847,351.282 h0.51 r270; PIN_NUMBER "2" at 399.847,352.298 h0.51 r270; ASSEMBLY_BOTTOM "0.1uF" at 400.05,351.79 h0.64 r270; ASSEMBLY_BOTTOM "TOLERANCE" at 397.51,351.79 h0.64 r270; ASSEMBLY_BOTTOM "USERPART#" at 396.24,351.79 h0.64 r270; SYMBOL_PART_DIM "PAD 35X32 OV" at 395.275,348.666 h0.64 r270; SYMBOL_PART_DIM "C402-35X32" at 396.545,348.666 h0.64 r270; SYMBOL_PART_DIM "0" at 397.916,351.587 h0.64 r270; SYMBOL_PART_DIM "0" at 399.72,349.453 h0.64 r270
C208: PIN_NUMBER "1" at 403.022,338.328 h0.51 r90; PIN_NUMBER "2" at 403.022,337.312 h0.51 r90; ASSEMBLY_BOTTOM "0.1uF" at 403.225,337.82 h0.64 r90; ASSEMBLY_BOTTOM "TOLERANCE" at 405.765,337.82 h0.64 r90; ASSEMBLY_BOTTOM "USERPART#" at 407.035,337.82 h0.64 r90; SYMBOL_PART_DIM "PAD 35X32 OV" at 408,340.944 h0.64 r90; SYMBOL_PART_DIM "C402-35X32" at 406.73,340.944 h0.64 r90; SYMBOL_PART_DIM "0" at 405.359,338.023 h0.64 r90; SYMBOL_PART_DIM "0" at 403.555,340.157 h0.64 r90
C209: PIN_NUMBER "1" at 391.465,345.44 h0.51; PIN_NUMBER "2" at 390.449,345.44 h0.51; ASSEMBLY_BOTTOM "0.1uF" at 391.16,345.44 h0.64; ASSEMBLY_BOTTOM "TOLERANCE" at 391.16,342.9 h0.64; ASSEMBLY_BOTTOM "USERPART#" at 391.16,341.63 h0.64; SYMBOL_PART_DIM "PAD 35X32 OV" at 394.284,340.665 h0.64; SYMBOL_PART_DIM "C402-35X32" at 394.284,341.935 h0.64; SYMBOL_PART_DIM "0" at 391.363,343.306 h0.64; SYMBOL_PART_DIM "0" at 393.497,345.11 h0.64
C210: PIN_NUMBER "1" at 406.959,350.52 h0.51 r180; PIN_NUMBER "2" at 407.975,350.52 h0.51 r180; ASSEMBLY_BOTTOM "0.1uF" at 407.67,350.52 h0.64 r180; ASSEMBLY_BOTTOM "TOLERANCE" at 407.67,353.06 h0.64 r180; ASSEMBLY_BOTTOM "USERPART#" at 407.67,354.33 h0.64 r180; SYMBOL_PART_DIM "PAD 35X32 OV" at 404.546,355.295 h0.64 r180; SYMBOL_PART_DIM "C402-35X32" at 404.546,354.025 h0.64 r180; SYMBOL_PART_DIM "0" at 407.467,352.654 h0.64 r180; SYMBOL_PART_DIM "0" at 405.333,350.85 h0.64 r180
C211: PIN_NUMBER "1" at 402.438,342.773 h1.02; PIN_NUMBER "2" at 399.39,342.773 h1.02; SYMB_DIM "PAD 40X70OV" at 394.056,337.058 h1.02; SYMB_DIM "SM  48X78" at 396.138,335.153 h1.02; SYMB_DIM "SP  40X70OV" at 394.056,333.248 h1.02; SYMB_DIM "C1206-40X70" at 394.31,347.98 h1.02; SYMB_DIM "0" at 401.955,338.963 h1.02; SYMB_DIM "0" at 405.765,342.138 h1.02; ASSEMBLY_BOTTOM "10uF" at 402.209,342.392 h1.02; ASSEMBLY_BOTTOM "X" at 401.32,342.392 h1.02; ASSEMBLY_BOTTOM "X" at 400.304,342.392 h1.02; ASSEMBLY_BOTTOM "+" at 404.241,342.392 h1.02; Bottom Overlay "+" at 403.987,343.789 h0.89
C212: PIN_NUMBER "1" at 404.089,351.536 h1.02 r270; PIN_NUMBER "2" at 404.089,354.584 h1.02 r270; SYMB_DIM "PAD 40X70OV" at 394.31,355.854 h1.02 r270; SYMB_DIM "SM  48X78" at 393.217,354.584 h1.02 r270; SYMB_DIM "SP  40X70OV" at 390.5,355.854 h1.02 r270; SYMB_DIM "C1206-40X70" at 405.232,355.6 h1.02 r270; SYMB_DIM "0" at 400.685,352.425 h1.02 r270; SYMB_DIM "0" at 403.86,348.615 h1.02 r270; ASSEMBLY_BOTTOM "10uF" at 404.114,352.171 h1.02 r270; ASSEMBLY_BOTTOM "X" at 404.114,353.06 h1.02 r270; ASSEMBLY_BOTTOM "X" at 404.114,354.076 h1.02 r270; ASSEMBLY_BOTTOM "+" at 404.114,350.139 h1.02 r270; Bottom Overlay "+" at 404.749,350.012 h0.89 r270
C213: PIN_NUMBER "1" at 401.752,351.282 h0.51 r270; PIN_NUMBER "2" at 401.752,352.298 h0.51 r270; ASSEMBLY_BOTTOM "0.1uF" at 401.955,351.79 h0.64 r270; ASSEMBLY_BOTTOM "TOLERANCE" at 399.415,351.79 h0.64 r270; ASSEMBLY_BOTTOM "USERPART#" at 398.145,351.79 h0.64 r270; SYMBOL_PART_DIM "PAD 35X32 OV" at 397.18,348.666 h0.64 r270; SYMBOL_PART_DIM "C402-35X32" at 398.45,348.666 h0.64 r270; SYMBOL_PART_DIM "0" at 399.821,351.587 h0.64 r270; SYMBOL_PART_DIM "0" at 401.625,349.453 h0.64 r270
C214: PIN_NUMBER "1" at 399.644,366.395 h1.02 r90; PIN_NUMBER "2" at 400.914,374.65 h1.02 r90; ASSEMBLY_TOP "47uF" at 402.463,368.427 h1.02 r90; ASSEMBLY_TOP "X" at 402.463,369.57 h1.02 r90; ASSEMBLY_TOP "X" at 402.463,370.84 h1.02 r90; SYMB_DIM "PAD 84X118REC" at 408.305,363.855 h1.02 r90; SYMB_DIM "SM  92X126REC" at 410.21,363.855 h1.02 r90; SYMB_DIM "SP  84X118REC" at 412.115,363.855 h1.02 r90; SYMB_DIM "C7343-84X118" at 390.525,363.855 h1.02 r90; SYMB_DIM "0" at 406.273,370.967 h1.02 r90; SYMB_DIM "0" at 401.193,363.728 h1.02 r90
C215: PIN_NUMBER "1" at 398.577,369.697 h0.51 r270; PIN_NUMBER "2" at 398.577,370.713 h0.51 r270; ASSEMBLY_BOTTOM "0.01uF" at 398.78,370.205 h0.64 r270; ASSEMBLY_BOTTOM "TOLERANCE" at 396.24,370.205 h0.64 r270; ASSEMBLY_BOTTOM "USERPART#" at 394.97,370.205 h0.64 r270; SYMBOL_PART_DIM "PAD 35X32 OV" at 394.005,367.081 h0.64 r270; SYMBOL_PART_DIM "C402-35X32" at 395.275,367.081 h0.64 r270; SYMBOL_PART_DIM "0" at 396.646,370.002 h0.64 r270; SYMBOL_PART_DIM "0" at 398.45,367.868 h0.64 r270
C216: PIN_NUMBER "1" at 399.847,369.697 h0.51 r270; PIN_NUMBER "2" at 399.847,370.713 h0.51 r270; ASSEMBLY_BOTTOM "0.1uF" at 400.05,370.205 h0.64 r270; ASSEMBLY_BOTTOM "TOLERANCE" at 397.51,370.205 h0.64 r270; ASSEMBLY_BOTTOM "USERPART#" at 396.24,370.205 h0.64 r270; SYMBOL_PART_DIM "PAD 35X32 OV" at 395.275,367.081 h0.64 r270; SYMBOL_PART_DIM "C402-35X32" at 396.545,367.081 h0.64 r270; SYMBOL_PART_DIM "0" at 397.916,370.002 h0.64 r270; SYMBOL_PART_DIM "0" at 399.72,367.868 h0.64 r270
C217: PIN_NUMBER "1" at 396.469,356.489 h1.02 r90; PIN_NUMBER "2" at 396.469,353.441 h1.02 r90; SYMB_DIM "PAD 40X70OV" at 398.12,352.171 h1.02 r90; SYMB_DIM "SM  48X78" at 400.837,353.441 h1.02 r90; SYMB_DIM "SP  40X70OV" at 401.93,352.171 h1.02 r90; SYMB_DIM "C1206-40X70" at 387.198,352.425 h1.02 r90; SYMB_DIM "0" at 400.685,355.6 h1.02 r90; SYMB_DIM "0" at 397.51,359.41 h1.02 r90; ASSEMBLY_BOTTOM "10uF / 16V" at 397.256,355.854 h1.02 r90; ASSEMBLY_BOTTOM "X" at 397.256,354.965 h1.02 r90; ASSEMBLY_BOTTOM "X" at 397.256,353.949 h1.02 r90; ASSEMBLY_BOTTOM "+" at 397.256,357.886 h1.02 r90; Bottom Overlay "+" at 397.002,358.14 h0.89 r90
C218: PIN_NUMBER "1" at 393.497,356.743 h0.51 r90; PIN_NUMBER "2" at 393.497,355.727 h0.51 r90; ASSEMBLY_BOTTOM "0.001uF" at 393.7,356.235 h0.64 r90; ASSEMBLY_BOTTOM "TOLERANCE" at 396.24,356.235 h0.64 r90; ASSEMBLY_BOTTOM "USERPART#" at 397.51,356.235 h0.64 r90; SYMBOL_PART_DIM "PAD 35X32 OV" at 398.475,359.359 h0.64 r90; SYMBOL_PART_DIM "C402-35X32" at 397.205,359.359 h0.64 r90; SYMBOL_PART_DIM "0" at 395.834,356.438 h0.64 r90; SYMBOL_PART_DIM "0" at 394.03,358.572 h0.64 r90
C219: PIN_NUMBER "1" at 394.767,356.743 h0.51 r90; PIN_NUMBER "2" at 394.767,355.727 h0.51 r90; ASSEMBLY_BOTTOM "0.1uF" at 394.97,356.235 h0.64 r90; ASSEMBLY_BOTTOM "TOLERANCE" at 397.51,356.235 h0.64 r90; ASSEMBLY_BOTTOM "USERPART#" at 398.78,356.235 h0.64 r90; SYMBOL_PART_DIM "PAD 35X32 OV" at 399.745,359.359 h0.64 r90; SYMBOL_PART_DIM "C402-35X32" at 398.475,359.359 h0.64 r90; SYMBOL_PART_DIM "0" at 397.104,356.438 h0.64 r90; SYMBOL_PART_DIM "0" at 395.3,358.572 h0.64 r90
C220: PIN_NUMBER "1" at 398.12,364.49 h1.02; PIN_NUMBER "2" at 401.168,364.49 h1.02; Top Overlay "+" at 397.383,363.093 h0.89; ASSEMBLY_TOP "10uF" at 399.161,364.109 h1.02; ASSEMBLY_TOP "X" at 400.05,364.109 h1.02; ASSEMBLY_TOP "X" at 401.066,364.109 h1.02; ASSEMBLY_TOP "+" at 397.129,364.109 h1.02; SYMB_DIM "PAD 40X70OV" at 398.374,358.775 h1.02; SYMB_DIM "SM  48X78" at 397.916,356.87 h1.02; SYMB_DIM "SP  40X70OV" at 398.374,354.965 h1.02; SYMB_DIM "C1206-40X70" at 398.12,369.697 h1.02; SYMB_DIM "0" at 399.415,360.68 h1.02; SYMB_DIM "0" at 395.605,363.855 h1.02
C221: PIN_NUMBER "1" at 409.169,361.696 h1.02 r90; PIN_NUMBER "2" at 409.169,364.744 h1.02 r90; Top Overlay "+" at 409.702,360.045 h0.89 r90; ASSEMBLY_TOP "10uF" at 409.956,362.331 h1.02 r90; ASSEMBLY_TOP "X" at 409.956,363.22 h1.02 r90; ASSEMBLY_TOP "X" at 409.956,364.236 h1.02 r90; ASSEMBLY_TOP "+" at 409.956,360.299 h1.02 r90; SYMB_DIM "PAD 40X70OV" at 410.82,366.014 h1.02 r90; SYMB_DIM "SM  48X78" at 413.537,364.744 h1.02 r90; SYMB_DIM "SP  40X70OV" at 414.63,366.014 h1.02 r90; SYMB_DIM "C1206-40X70" at 399.898,365.76 h1.02 r90; SYMB_DIM "0" at 413.385,362.585 h1.02 r90; SYMB_DIM "0" at 410.21,358.775 h1.02 r90
C222: PIN_NUMBER "1" at 403.784,360.934 h0.51 r90; PIN_NUMBER "2" at 403.784,359.918 h0.51 r90; ASSEMBLY_BOTTOM "0.1uF" at 403.987,360.426 h0.64 r90; ASSEMBLY_BOTTOM "TOLERANCE" at 406.527,360.426 h0.64 r90; ASSEMBLY_BOTTOM "USERPART#" at 407.797,360.426 h0.64 r90; SYMBOL_PART_DIM "PAD 35X32 OV" at 408.762,363.55 h0.64 r90; SYMBOL_PART_DIM "C402-35X32" at 407.492,363.55 h0.64 r90; SYMBOL_PART_DIM "0" at 406.121,360.629 h0.64 r90; SYMBOL_PART_DIM "0" at 404.317,362.763 h0.64 r90
C223: PIN_NUMBER "1" at 407.34,358.521 h0.51 r90; PIN_NUMBER "2" at 407.34,357.505 h0.51 r90; ASSEMBLY_BOTTOM "0.1uF" at 407.543,358.013 h0.64 r90; ASSEMBLY_BOTTOM "TOLERANCE" at 410.083,358.013 h0.64 r90; ASSEMBLY_BOTTOM "USERPART#" at 411.353,358.013 h0.64 r90; SYMBOL_PART_DIM "PAD 35X32 OV" at 412.318,361.137 h0.64 r90; SYMBOL_PART_DIM "C402-35X32" at 411.048,361.137 h0.64 r90; SYMBOL_PART_DIM "0" at 409.677,358.216 h0.64 r90; SYMBOL_PART_DIM "0" at 407.873,360.35 h0.64 r90
C224: PIN_NUMBER "1" at 396.672,360.934 h0.51 r90; PIN_NUMBER "2" at 396.672,359.918 h0.51 r90; ASSEMBLY_BOTTOM "0.1uF" at 396.875,360.426 h0.64 r90; ASSEMBLY_BOTTOM "TOLERANCE" at 399.415,360.426 h0.64 r90; ASSEMBLY_BOTTOM "USERPART#" at 400.685,360.426 h0.64 r90; SYMBOL_PART_DIM "PAD 35X32 OV" at 401.65,363.55 h0.64 r90; SYMBOL_PART_DIM "C402-35X32" at 400.38,363.55 h0.64 r90; SYMBOL_PART_DIM "0" at 399.009,360.629 h0.64 r90; SYMBOL_PART_DIM "0" at 397.205,362.763 h0.64 r90
C225: PIN_NUMBER "1" at 418.262,368.808 h0.51 r270; PIN_NUMBER "2" at 418.262,367.792 h0.51 r270; ASSEMBLY_TOP "0.1uF" at 418.465,368.3 h0.64 r270; ASSEMBLY_TOP "TOLERANCE" at 415.925,368.3 h0.64 r270; ASSEMBLY_TOP "USERPART#" at 414.655,368.3 h0.64 r270; SYMBOL_PART_DIM "PAD 35X32 OV" at 413.69,371.424 h0.64 r270; SYMBOL_PART_DIM "C402-35X32" at 414.96,371.424 h0.64 r270; SYMBOL_PART_DIM "0" at 416.331,368.503 h0.64 r270; SYMBOL_PART_DIM "0" at 418.135,370.637 h0.64 r270
C226: PIN_NUMBER "1" at 382.549,372.237 h0.89 r180; PIN_NUMBER "2" at 382.549,368.173 h0.89 r180; Top Overlay "X" at 379.171,370.459 h0.64 r180; Top Overlay "X" at 379.578,370.51 h0.64 r180; Top Overlay "1000pF 2kV" at 380.06,370.51 h0.64 r180
C227: PIN_NUMBER "1" at 388.595,372.745 h1.02 r180; PIN_NUMBER "2" at 391.643,372.745 h1.02 r180; SYMB_DIM "PAD 40X70OV" at 388.849,378.46 h1.02 r180; SYMB_DIM "SM  48X78" at 388.391,380.365 h1.02 r180; SYMB_DIM "SP  40X70OV" at 388.849,382.27 h1.02 r180; SYMB_DIM "C1206-40X70" at 388.595,367.538 h1.02 r180; SYMB_DIM "0" at 389.89,376.555 h1.02 r180; SYMB_DIM "0" at 386.08,373.38 h1.02 r180; ASSEMBLY_BOTTOM "10uF" at 389.636,373.126 h1.02 r180; ASSEMBLY_BOTTOM "X" at 390.525,373.126 h1.02 r180; ASSEMBLY_BOTTOM "X" at 391.541,373.126 h1.02 r180; ASSEMBLY_BOTTOM "+" at 387.604,373.126 h1.02 r180; Bottom Overlay "+" at 387.35,372.872 h0.89 r180
C228: PIN_NUMBER "1" at 411.912,368.808 h0.51 r270; PIN_NUMBER "2" at 411.912,367.792 h0.51 r270; ASSEMBLY_TOP "0.1uF" at 412.115,368.3 h0.64 r270; ASSEMBLY_TOP "TOLERANCE" at 409.575,368.3 h0.64 r270; ASSEMBLY_TOP "USERPART#" at 408.305,368.3 h0.64 r270; SYMBOL_PART_DIM "PAD 35X32 OV" at 407.34,371.424 h0.64 r270; SYMBOL_PART_DIM "C402-35X32" at 408.61,371.424 h0.64 r270; SYMBOL_PART_DIM "0" at 409.981,368.503 h0.64 r270; SYMBOL_PART_DIM "0" at 411.785,370.637 h0.64 r270
C229: PIN_NUMBER "1" at 393.497,368.808 h0.51 r270; PIN_NUMBER "2" at 393.497,367.792 h0.51 r270; ASSEMBLY_TOP "0.1uF" at 393.7,368.3 h0.64 r270; ASSEMBLY_TOP "TOLERANCE" at 391.16,368.3 h0.64 r270; ASSEMBLY_TOP "USERPART#" at 389.89,368.3 h0.64 r270; SYMBOL_PART_DIM "PAD 35X32 OV" at 388.925,371.424 h0.64 r270; SYMBOL_PART_DIM "C402-35X32" at 390.195,371.424 h0.64 r270; SYMBOL_PART_DIM "0" at 391.566,368.503 h0.64 r270; SYMBOL_PART_DIM "0" at 393.37,370.637 h0.64 r270
C230: PIN_NUMBER "1" at 407.314,372.237 h0.89 r180; PIN_NUMBER "2" at 407.314,368.173 h0.89 r180; Top Overlay "X" at 403.936,370.459 h0.64 r180; Top Overlay "X" at 404.343,370.51 h0.64 r180; Top Overlay "1000pF 2kV" at 404.825,370.51 h0.64 r180
C231: PIN_NUMBER "1" at 412.725,372.745 h1.02 r180; PIN_NUMBER "2" at 415.773,372.745 h1.02 r180; SYMB_DIM "PAD 40X70OV" at 412.979,378.46 h1.02 r180; SYMB_DIM "SM  48X78" at 412.521,380.365 h1.02 r180; SYMB_DIM "SP  40X70OV" at 412.979,382.27 h1.02 r180; SYMB_DIM "C1206-40X70" at 412.725,367.538 h1.02 r180; SYMB_DIM "0" at 414.02,376.555 h1.02 r180; SYMB_DIM "0" at 410.21,373.38 h1.02 r180; ASSEMBLY_BOTTOM "10uF" at 413.766,373.126 h1.02 r180; ASSEMBLY_BOTTOM "X" at 414.655,373.126 h1.02 r180; ASSEMBLY_BOTTOM "X" at 415.671,373.126 h1.02 r180; ASSEMBLY_BOTTOM "+" at 411.734,373.126 h1.02 r180; Bottom Overlay "+" at 411.48,372.872 h0.89 r180
C232: PIN_NUMBER "1" at 387.782,368.808 h0.51 r270; PIN_NUMBER "2" at 387.782,367.792 h0.51 r270; ASSEMBLY_TOP "0.1uF" at 387.985,368.3 h0.64 r270; ASSEMBLY_TOP "TOLERANCE" at 385.445,368.3 h0.64 r270; ASSEMBLY_TOP "USERPART#" at 384.175,368.3 h0.64 r270; SYMBOL_PART_DIM "PAD 35X32 OV" at 383.21,371.424 h0.64 r270; SYMBOL_PART_DIM "C402-35X32" at 384.48,371.424 h0.64 r270; SYMBOL_PART_DIM "0" at 385.851,368.503 h0.64 r270; SYMBOL_PART_DIM "0" at 387.655,370.637 h0.64 r270
C233: PIN_NUMBER "1" at 268.402,349.758 h0.51 r90; PIN_NUMBER "2" at 268.402,348.742 h0.51 r90; ASSEMBLY_BOTTOM "TOLERANCE" at 271.145,349.25 h0.64 r90; ASSEMBLY_BOTTOM "USERPART#" at 272.415,349.25 h0.64 r90; SYMBOL_PART_DIM "PAD 35X32 OV" at 273.38,352.374 h0.64 r90; SYMBOL_PART_DIM "C402-35X32" at 272.11,352.374 h0.64 r90; SYMBOL_PART_DIM "0" at 270.739,349.453 h0.64 r90; SYMBOL_PART_DIM "0" at 268.935,351.587 h0.64 r90
C234: PIN_NUMBER "1" at 429.997,335.788 h1.02 r180; PIN_NUMBER "2" at 426.949,335.788 h1.02 r180; Top Overlay "+" at 432.308,335.661 h0.89 r180; ASSEMBLY_TOP "10uF" at 429.768,336.169 h1.02 r180; ASSEMBLY_TOP "X" at 428.879,336.169 h1.02 r180; ASSEMBLY_TOP "X" at 427.863,336.169 h1.02 r180; ASSEMBLY_TOP "+" at 431.8,336.169 h1.02 r180; SYMB_DIM "PAD 40X70OV" at 421.615,341.503 h1.02 r180; SYMB_DIM "SM  48X78" at 423.697,343.408 h1.02 r180; SYMB_DIM "SP  40X70OV" at 421.615,345.313 h1.02 r180; SYMB_DIM "C1206-40X70" at 421.869,330.581 h1.02 r180; SYMB_DIM "0" at 429.514,339.598 h1.02 r180; SYMB_DIM "0" at 433.324,336.423 h1.02 r180
C235: PIN_NUMBER "1" at 430.454,333.883 h0.51; PIN_NUMBER "2" at 429.438,333.883 h0.51; ASSEMBLY_BOTTOM "0.1uF" at 430.149,333.883 h0.64; ASSEMBLY_BOTTOM "TOLERANCE" at 430.149,331.343 h0.64; ASSEMBLY_BOTTOM "USERPART#" at 430.149,330.073 h0.64; SYMBOL_PART_DIM "PAD 35X32 OV" at 433.273,329.108 h0.64; SYMBOL_PART_DIM "C402-35X32" at 433.273,330.378 h0.64; SYMBOL_PART_DIM "0" at 430.352,331.749 h0.64; SYMBOL_PART_DIM "0" at 432.486,333.553 h0.64
C236: PIN_NUMBER "1" at 430.632,339.598 h1.02; PIN_NUMBER "2" at 427.584,339.598 h1.02; SYMB_DIM "PAD 40X70OV" at 422.25,333.883 h1.02; SYMB_DIM "SM  48X78" at 424.332,331.978 h1.02; SYMB_DIM "SP  40X70OV" at 422.25,330.073 h1.02; SYMB_DIM "C1206-40X70" at 422.504,344.805 h1.02; SYMB_DIM "0" at 430.149,335.788 h1.02; SYMB_DIM "0" at 433.959,338.963 h1.02; ASSEMBLY_BOTTOM "22uF" at 430.403,339.217 h1.02; ASSEMBLY_BOTTOM "X" at 429.514,339.217 h1.02; ASSEMBLY_BOTTOM "X" at 428.498,339.217 h1.02
C237: PIN_NUMBER "1" at 429.489,330.073 h1.02 r180; PIN_NUMBER "2" at 432.537,330.073 h1.02 r180; SYMB_DIM "PAD 40X70OV" at 429.743,335.788 h1.02 r180; SYMB_DIM "SM  48X78" at 429.285,337.693 h1.02 r180; SYMB_DIM "SP  40X70OV" at 429.743,339.598 h1.02 r180; SYMB_DIM "C1206-40X70" at 429.489,324.866 h1.02 r180; SYMB_DIM "0" at 430.784,333.883 h1.02 r180; SYMB_DIM "0" at 426.974,330.708 h1.02 r180; ASSEMBLY_BOTTOM "22uF" at 430.53,330.454 h1.02 r180; ASSEMBLY_BOTTOM "X" at 431.419,330.454 h1.02 r180; ASSEMBLY_BOTTOM "X" at 432.435,330.454 h1.02 r180